# Altium PCB ROBOT_PCB_test.PcbDoc (part 1 of 2)
Units mm, origin at the board's own origin, x right, y up, seen from the top; angles counter-clockwise.
Board outline 200 x 120 mm, 4 copper layers (Top Layer, POWER, GND, Bottom Layer), stack 2.008 mm thick; 282 components, 219 nets, 963 pads, 9 vias.
Unrouted connection lines stored in the file: 507.
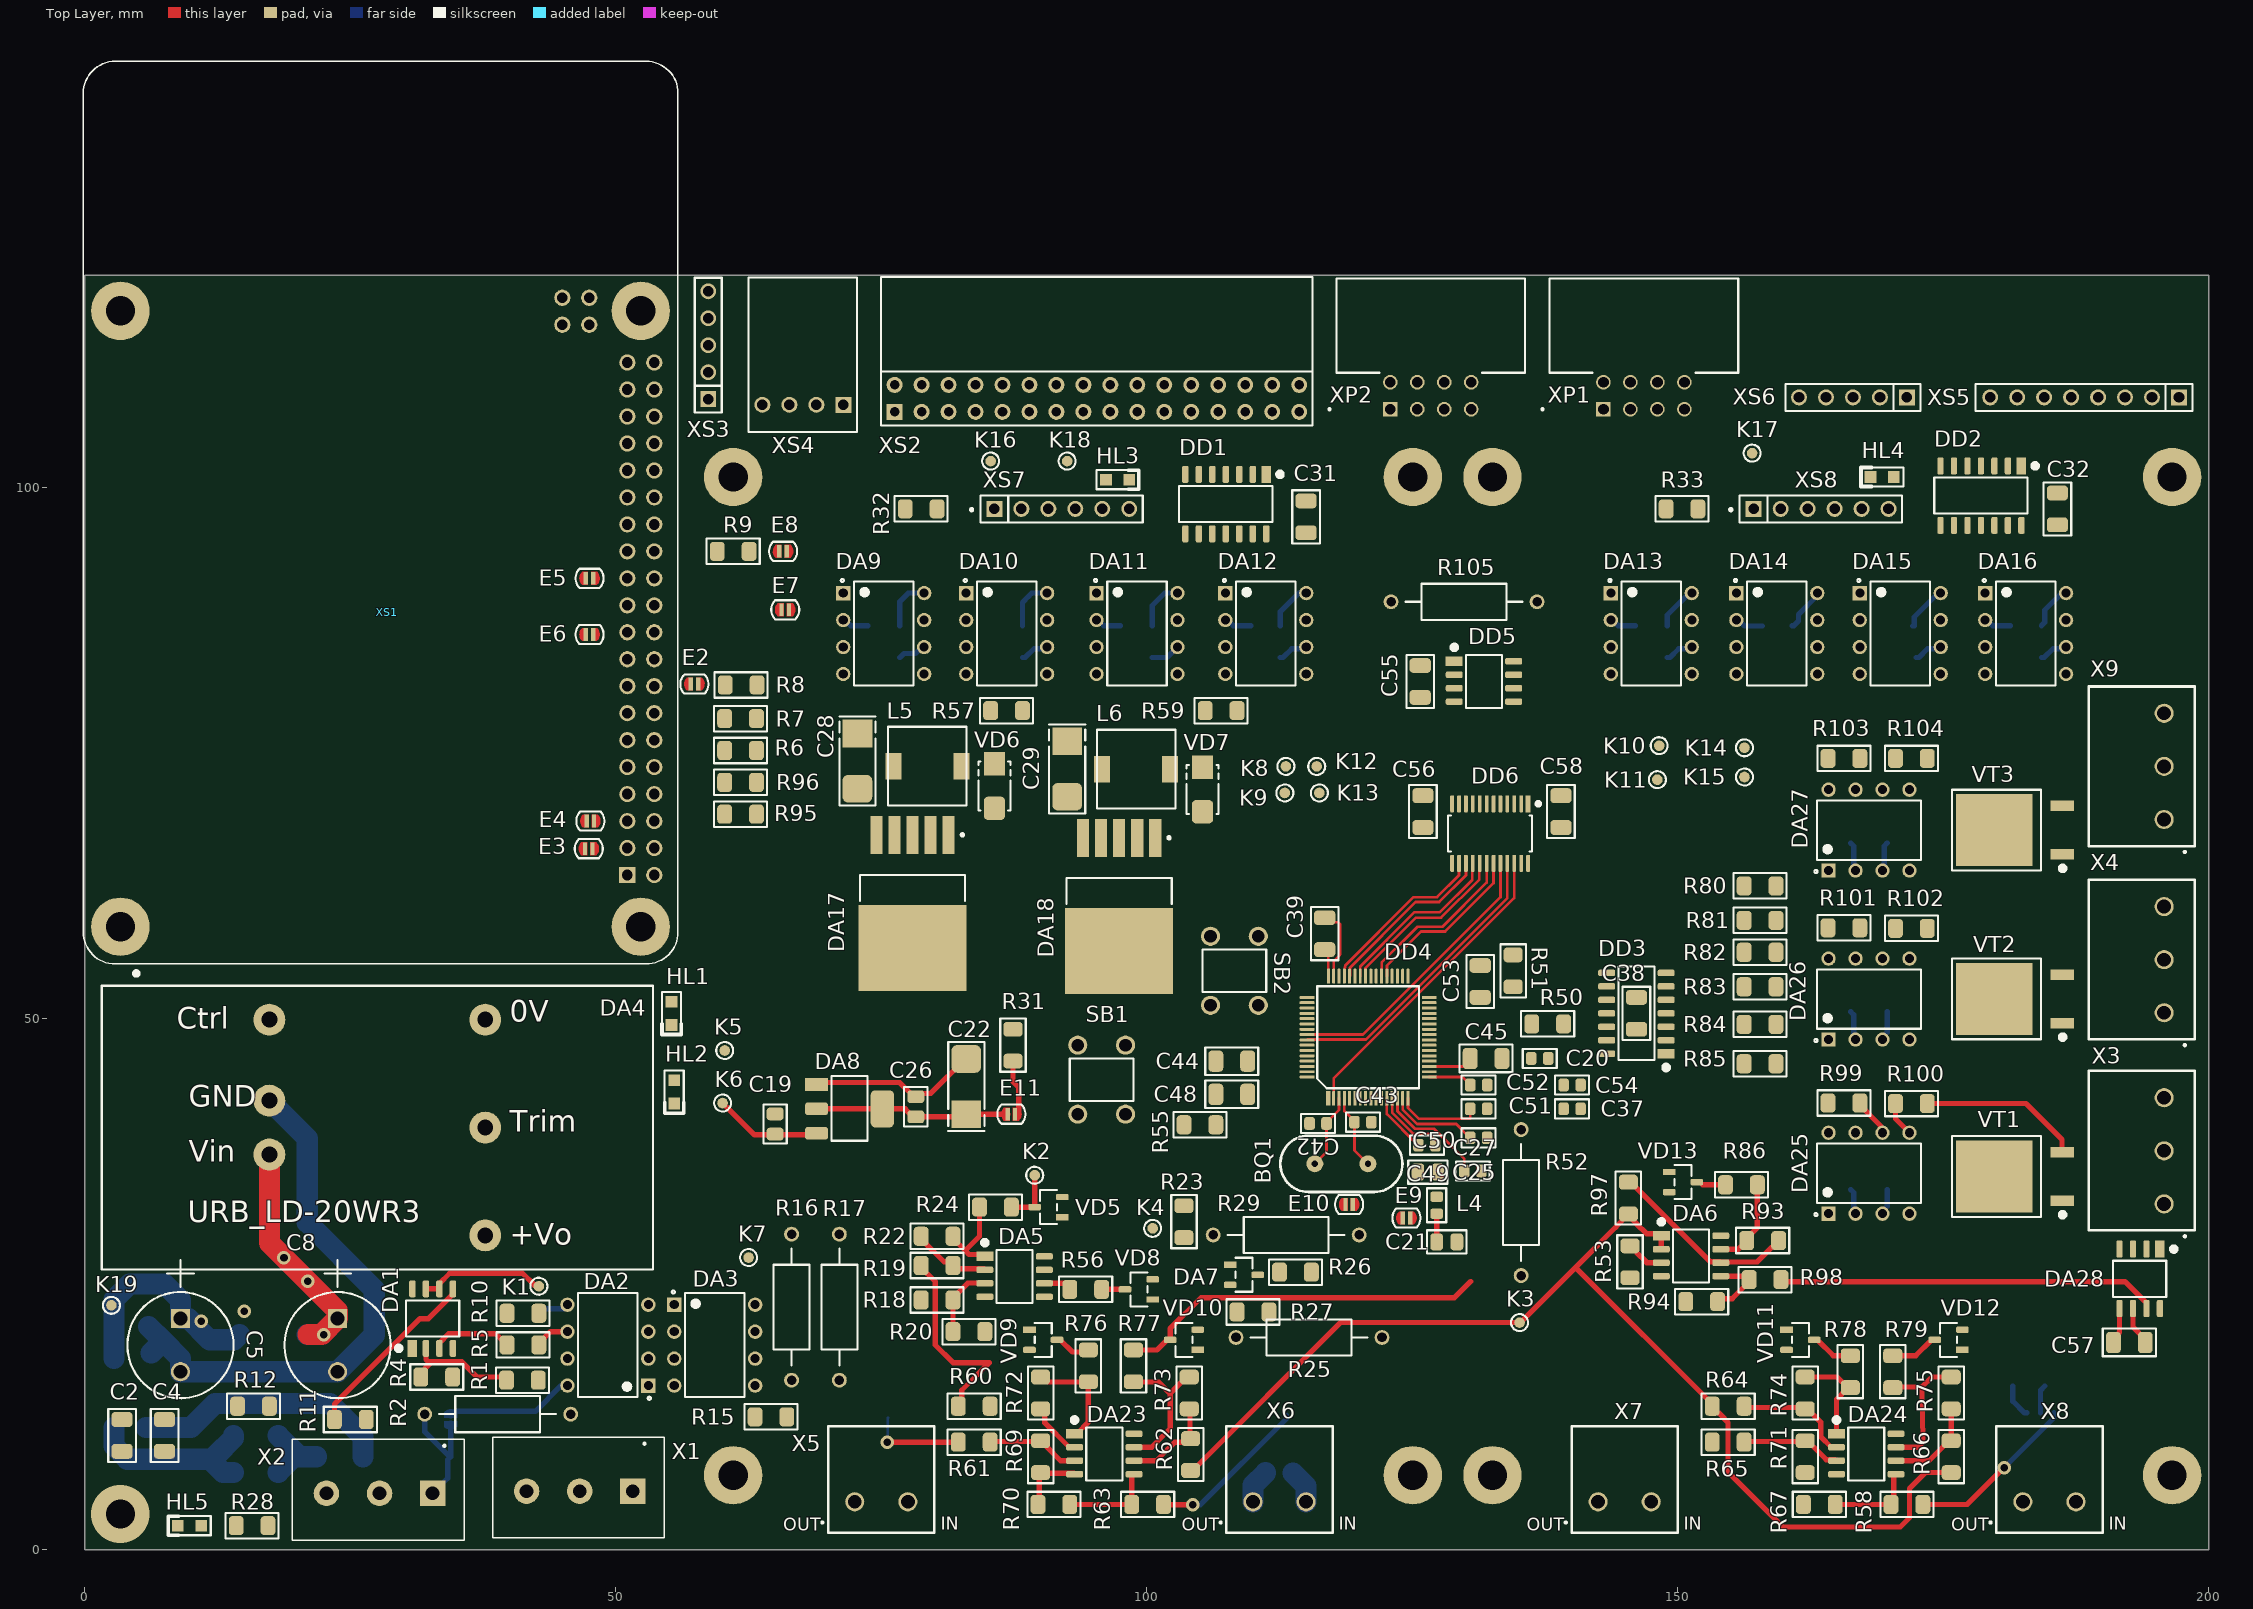
[diagram p0: Top Layer view]
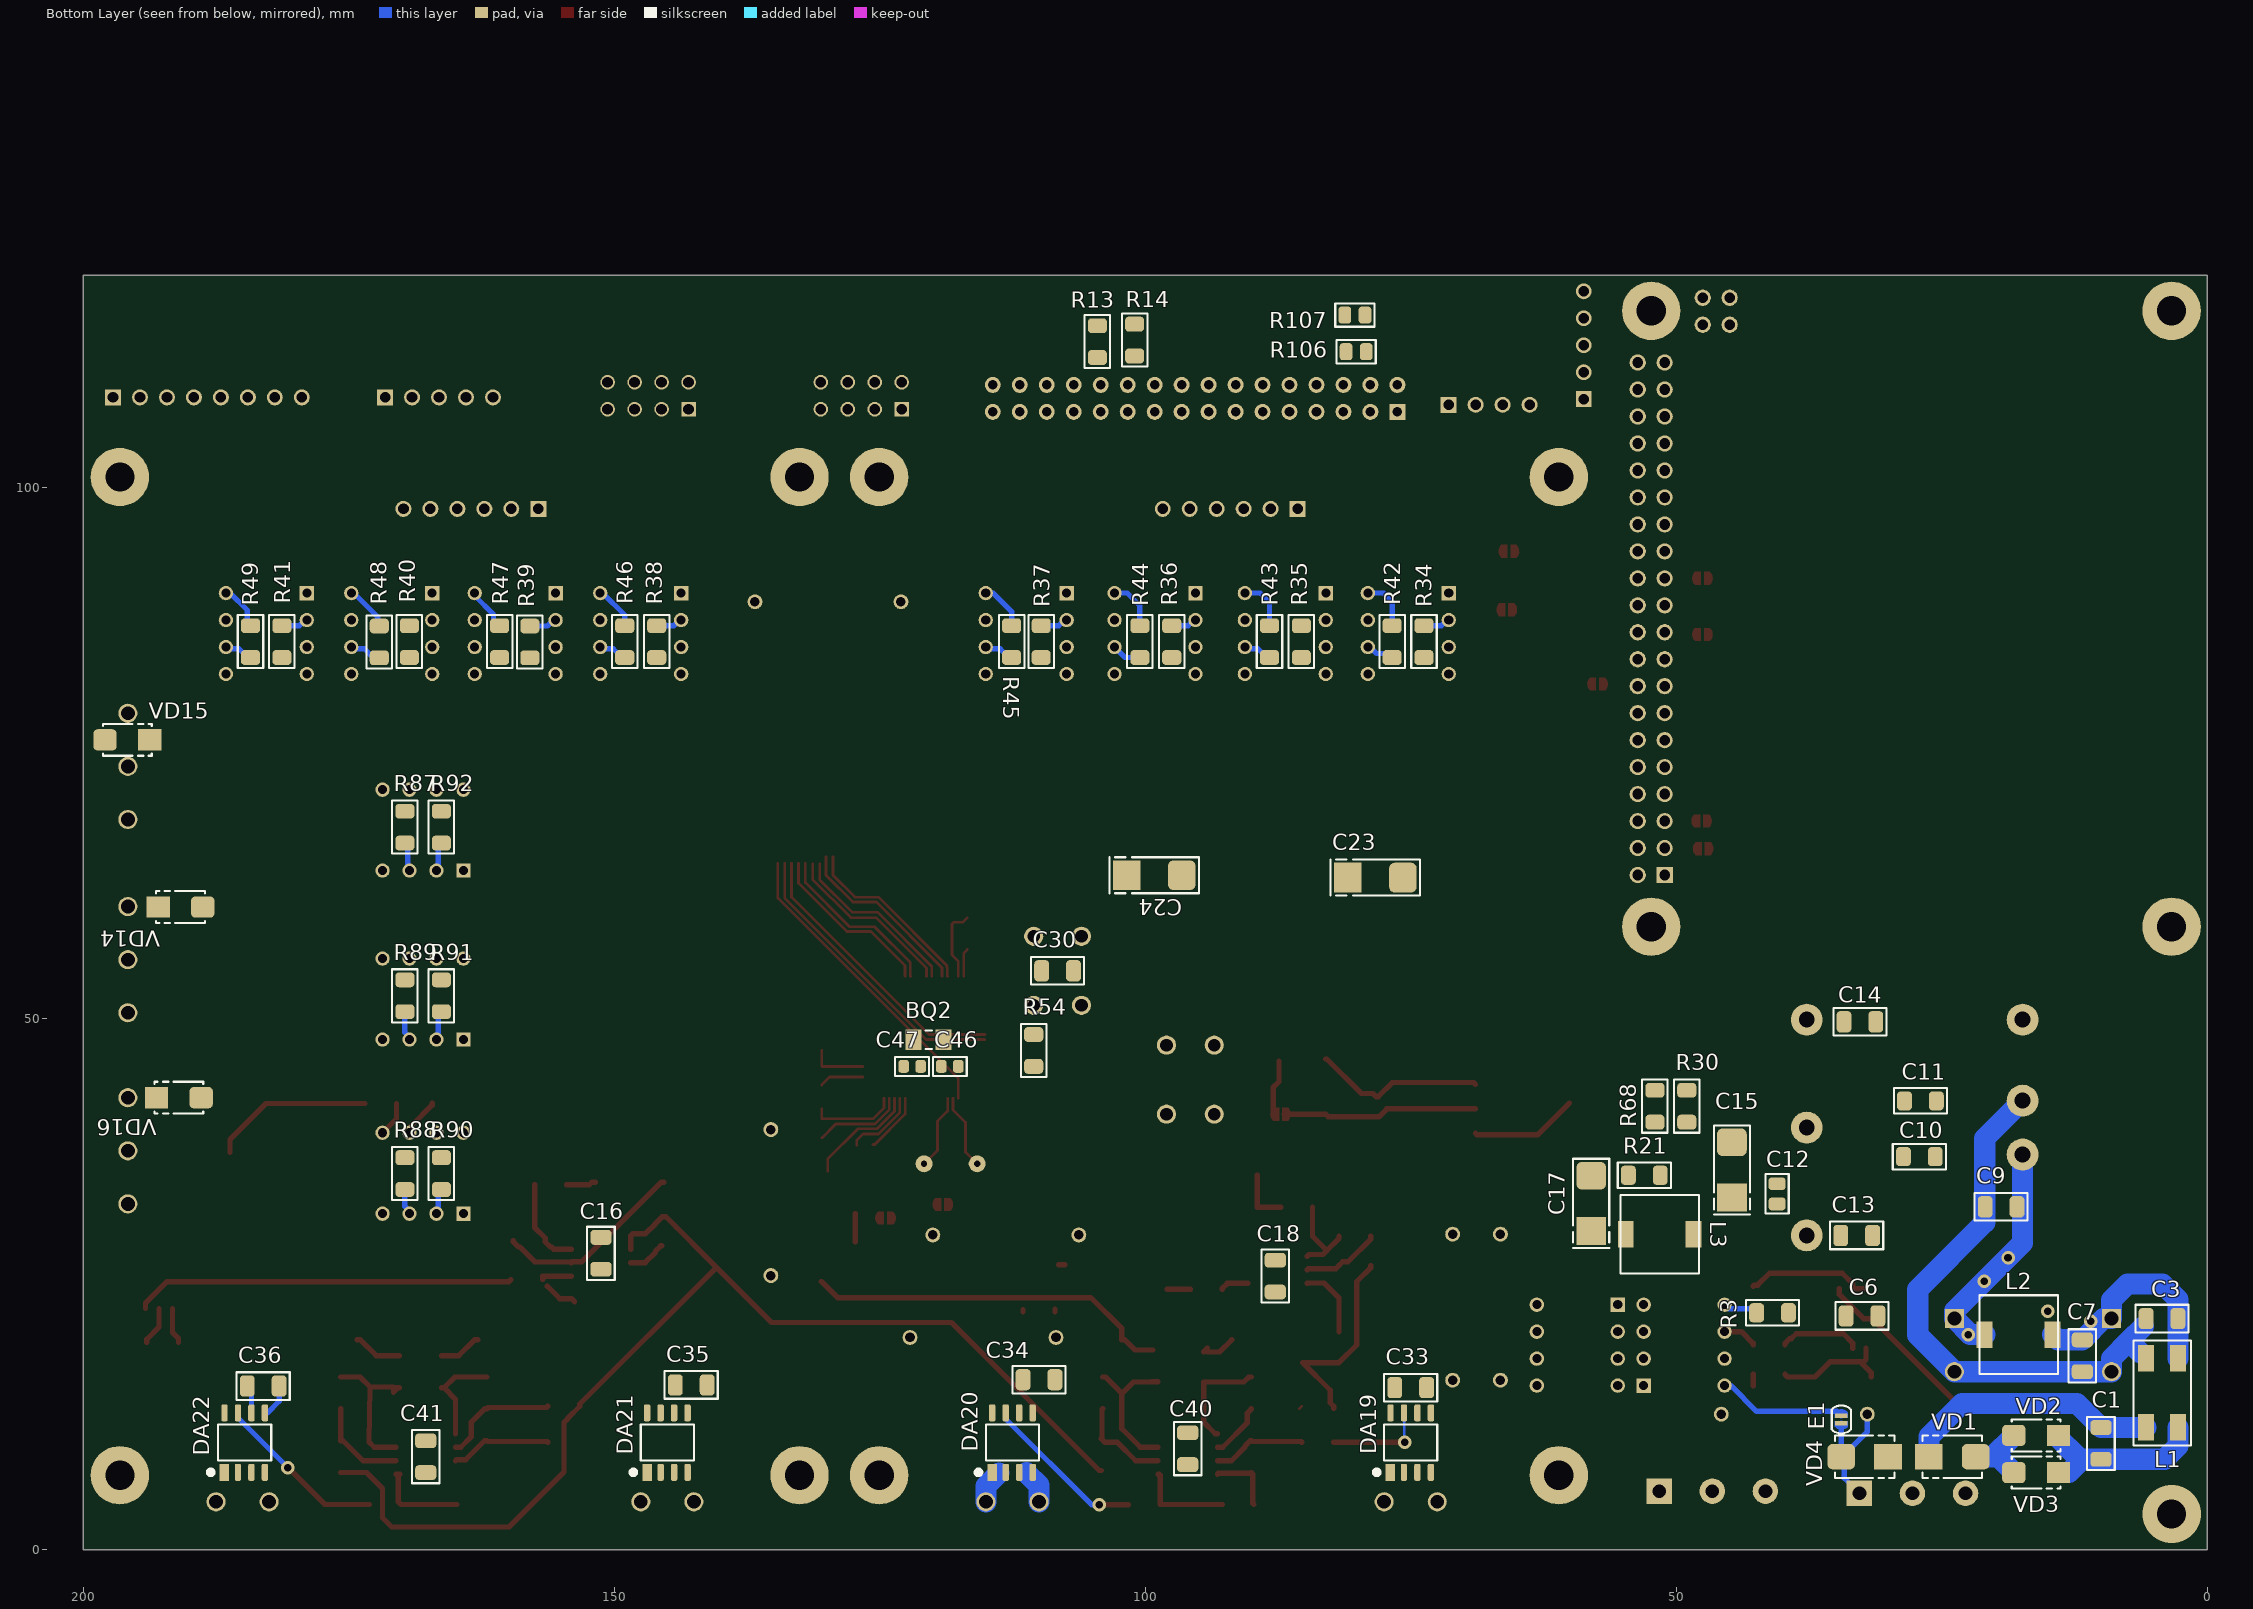
[diagram p1: Bottom Layer view, seen from below]
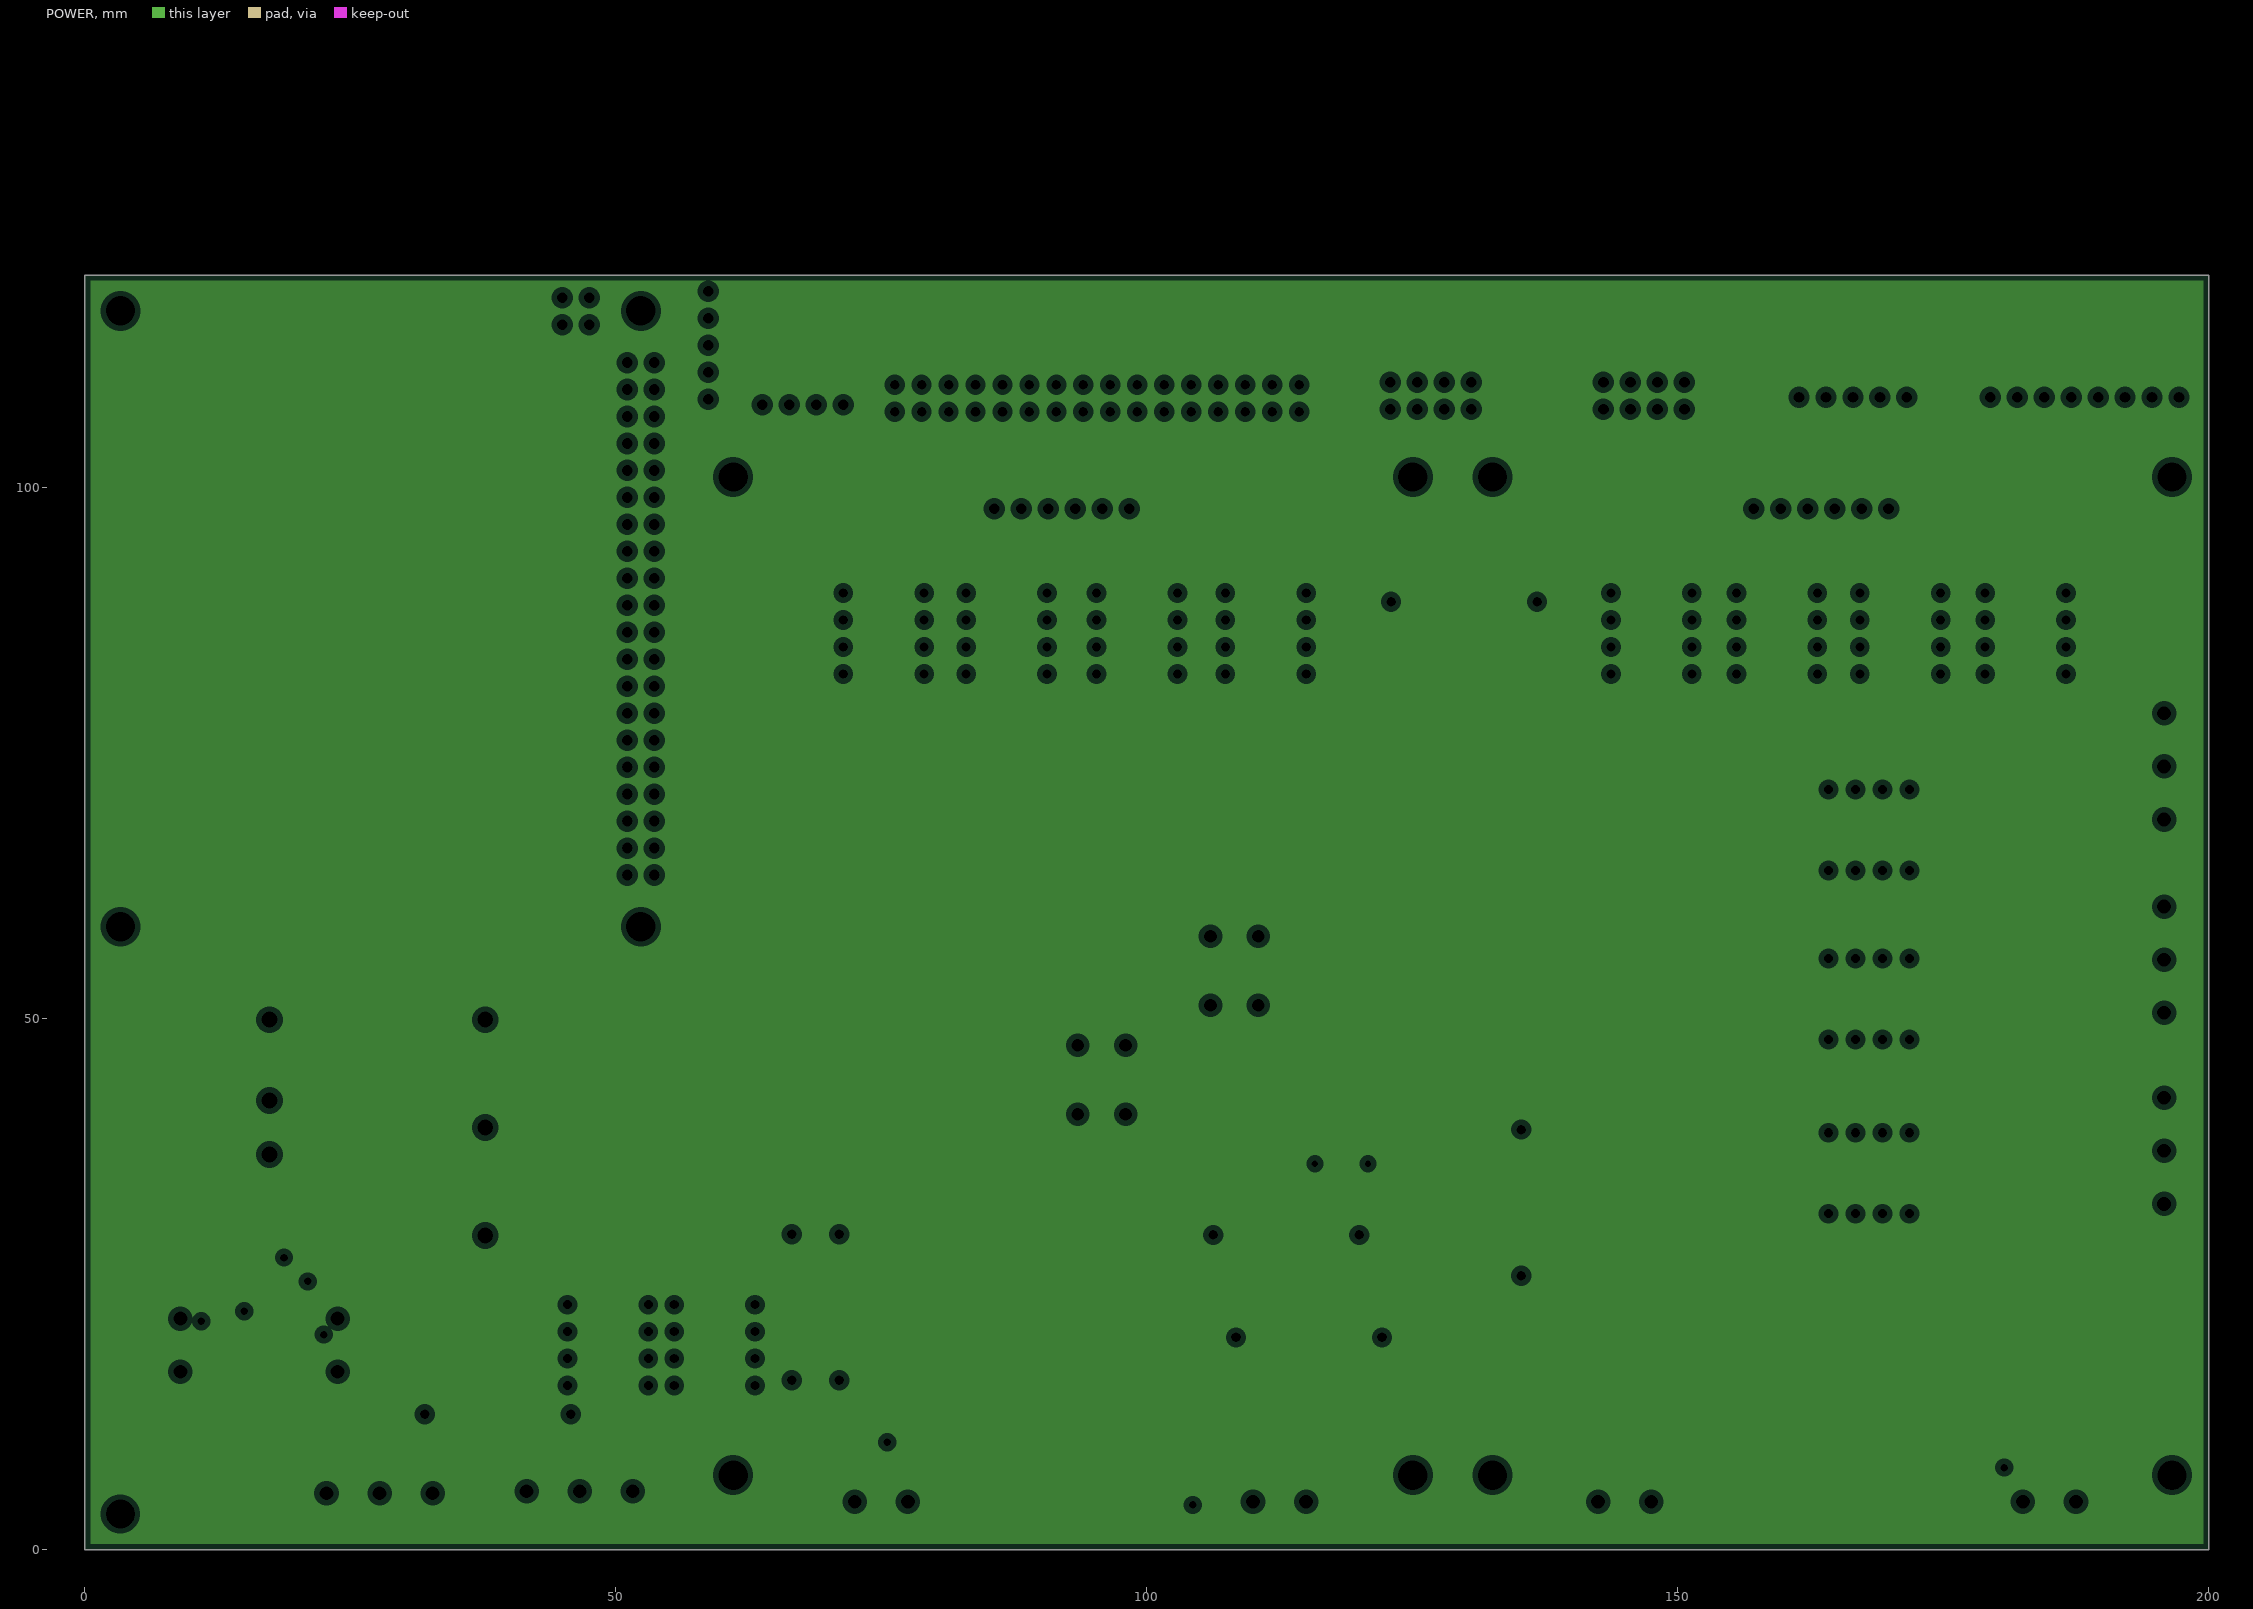
[diagram p2: POWER, clearances drawn from the general rule]